# Altium PCB SmartHaloEE.PcbDoc (part 2 of 3)
Units mil, origin at the board's own origin, x right, y up, seen from the top; angles counter-clockwise.
Board outline 2894.86 x 2467.76 mil, 4 copper layers (Top Layer, Ground Plane, Power Plane, Bottom Layer), stack 66 mil thick; 314 components, 165 nets, 803 pads, 366 vias.
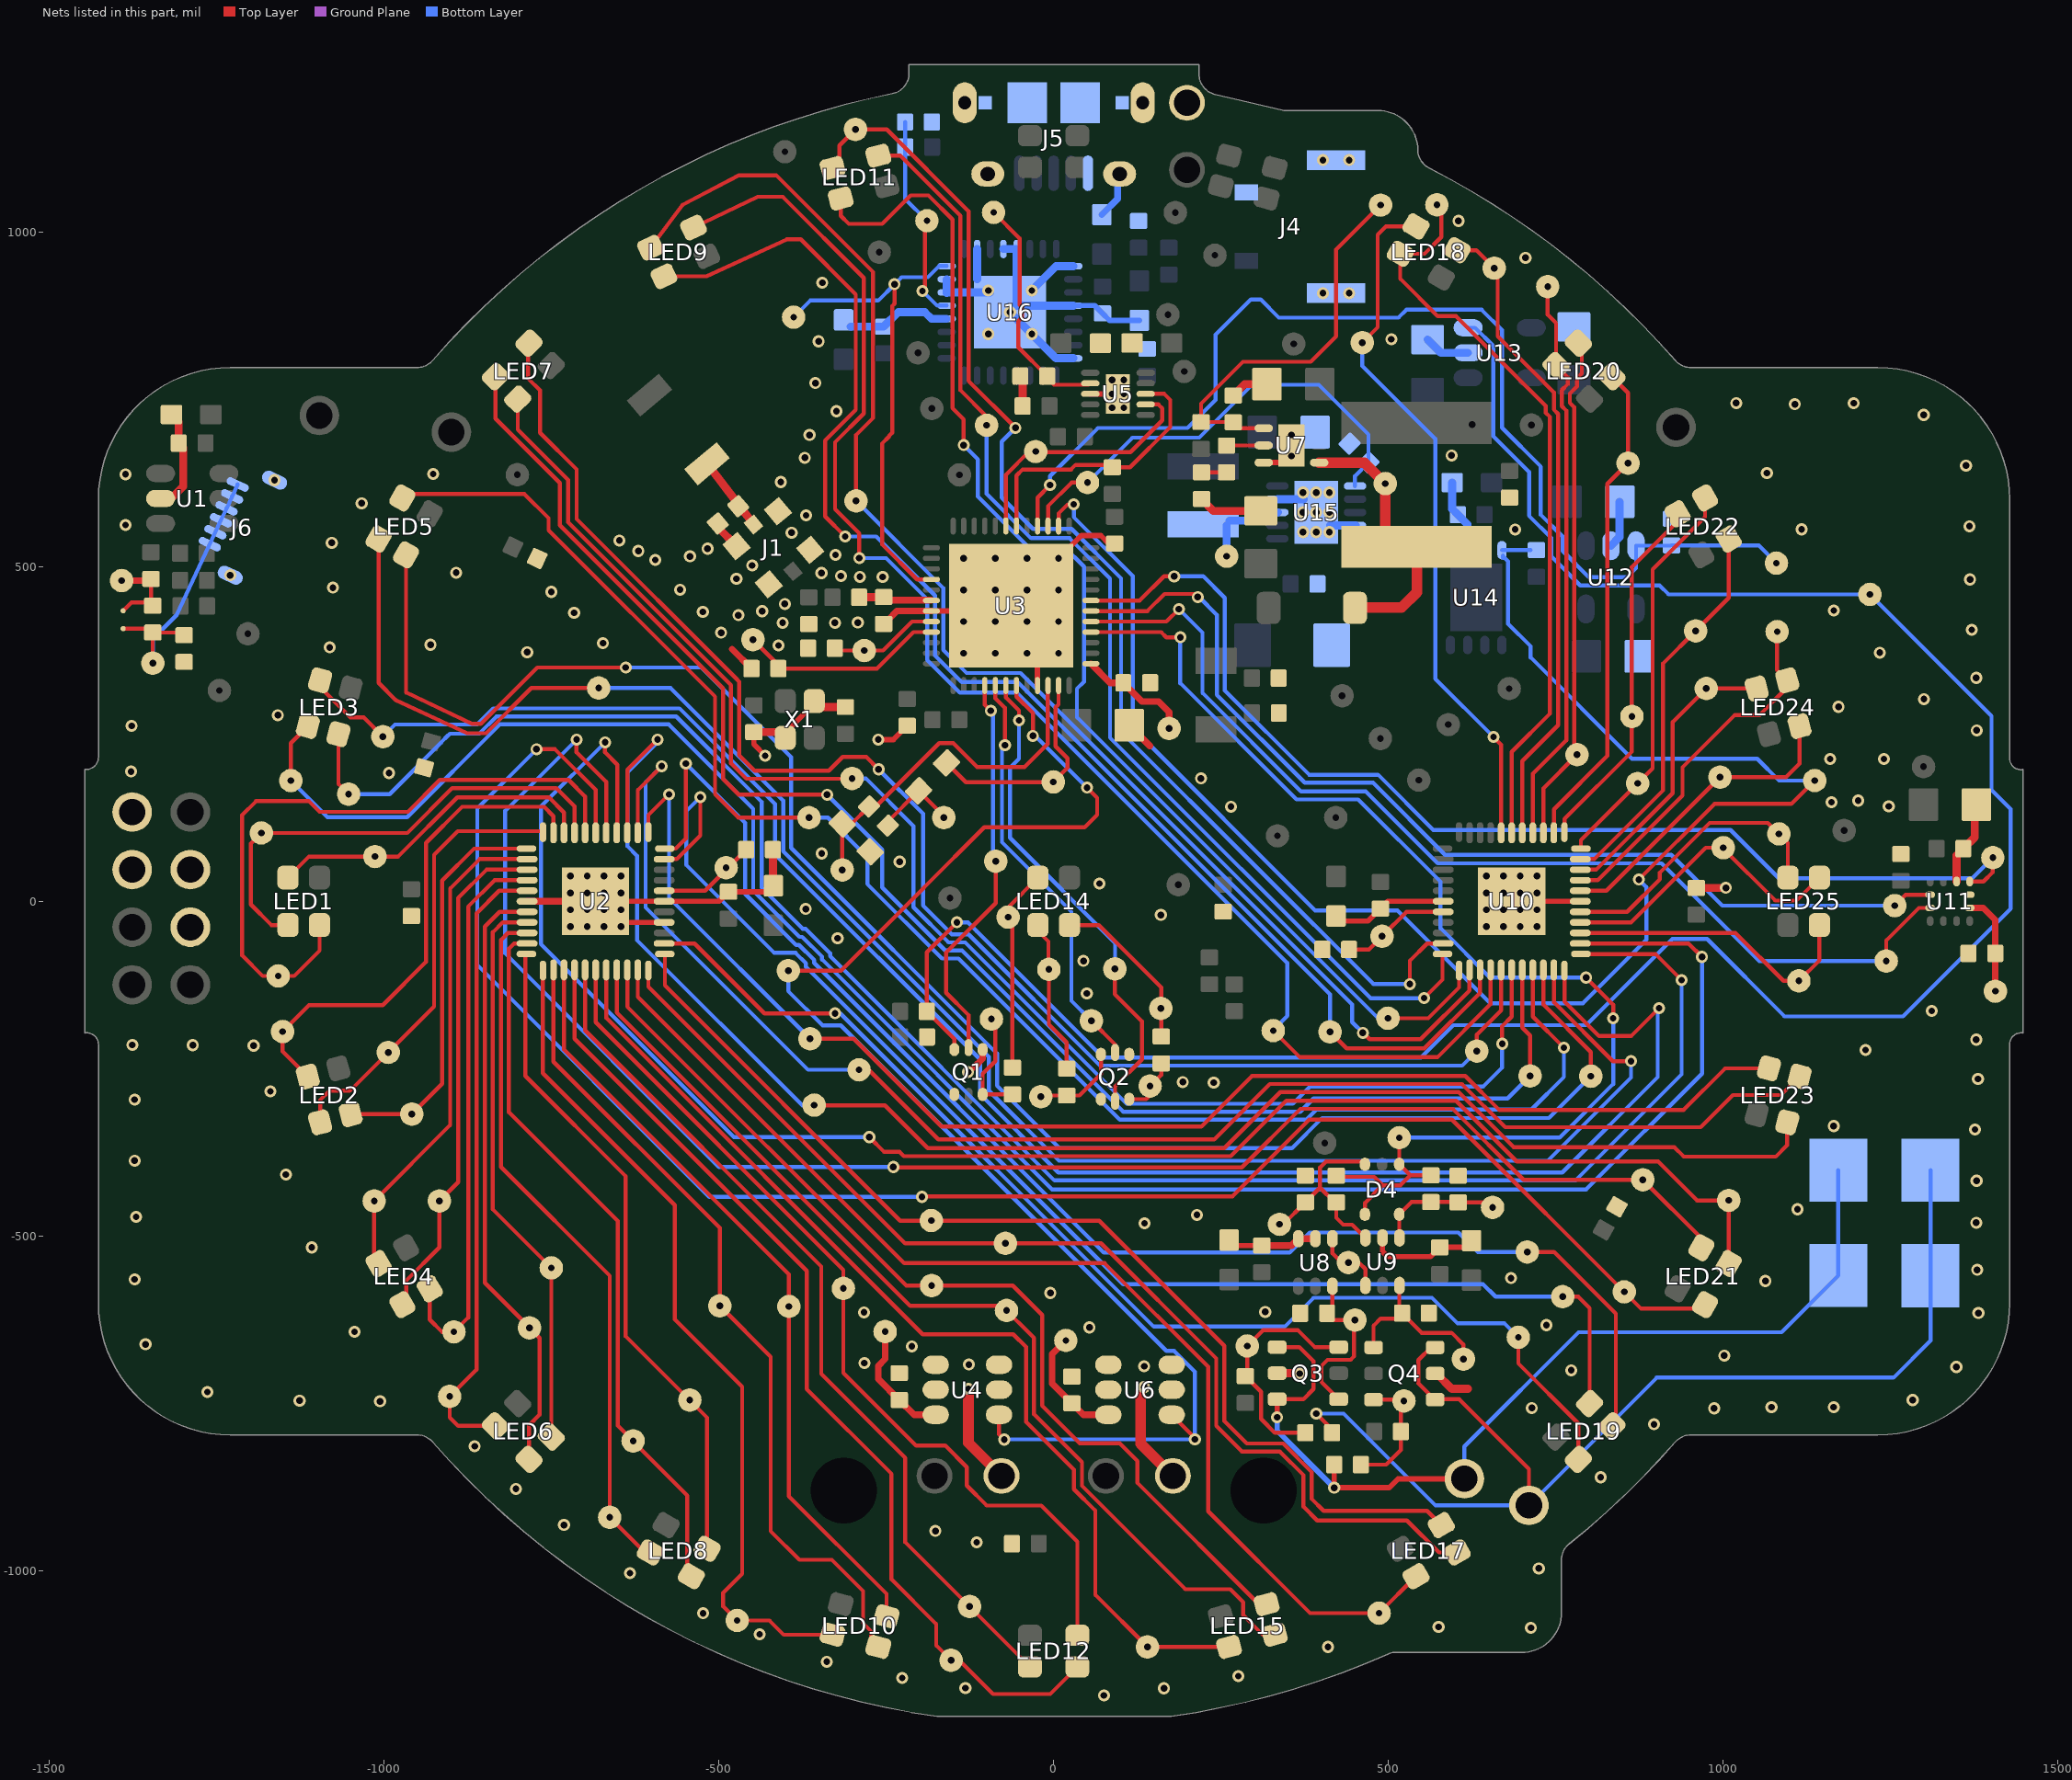
[diagram p4: the nets of this part, all layers, seen from the top]

## Part data
ANT1: "CHIP ANTENNA, 2.45GHz, 3.2 x 1.6 x 1.3 mm body"
C1 C5 C6 C7: library part Varitron_CAP0402, "C nF V TEMP TOL% 0402 (1005 Metric)  SMD"
C2 C15 C29 C36 C40 C50 C57: "1uF 10V X7R 10% 0603 (1608 Metric)  SMD"
C3 C8 C9 C10 C12 C22 C33 C37 C38 C41 C42 C43 C45 C51 C55 C58 C59: "100 nF 10V X7R 10% 0402 (1005 Metric)  SMD"
C4: library part Varitron_CAP0402, "6.8 nF 6V X7R 5% 0402 (1005 Metric)  SMD"
C11: "1.2 pF 50V NP0 ±0.1 pF 0402 (1005 Metric)  SMD"
C13: "100 pF 50V NP0 5% 0402 (1005 Metric)  SMD"
C14 C19 C31 C32: "12 pF 50V NP0 2% 0402 (1005 Metric)  SMD"
C16 C17: "C pF V TEMP TOL% 0402 (1005 Metric)  SMD"
C18: "1uF 16V X7R 10% 0603 (1608 Metric)  SMD"
C20: "0.8 pF 50V NP0 5% 0402 (1005 Metric)  SMD"
C21 C25 C27: "100 nF 16V X7R 10% 0402 (1005 Metric)  SMD"
C23 C26 C56 C60: "4.7uF 10V X7R 10% 0603 (1608 Metric)  SMD"
C24 C30 C34: "4.7 uF 50V X5R 10% 0805 (2012 Metric)  SMD"
C28: "680 pF 10V X7R 10% 0402 (1005 Metric)  SMD"
C35 C39: "2 nF 6V X5R 10% 0402 (1005 Metric)  SMD"
C44 C47 C48 C49 C52 C54: "10 uF 10V X7R 10% 0805 (2012 Metric)  SMD"
C46: "220 nF 10V X7R 10% 0402 (1005 Metric)  SMD"
C53: "47 uF 10V X5R 10% 1206 (3216 Metric)  SMD"
D1 D2: "Cree 5mm Round LED C503D-WAN-CDaEa232-0AH"
D3: "Schottky Power Rectifier, 2-Pin SOD-123, Pb-Free, Tape and Reel"
D4: "High Voltage Switching Diode"
J1: "Coaxial Connector with Switch"
J2 J3: "Connector, Single Horizontal Contact, 2 x 2 mm"
J4: "Connector, 1.3 mm pitch"
J5: "Micro USB B Type Receptacle"
J6: "Connector, FPC, 0.5 mm pitch, 6 contacts"
L1: "3.9 nH ±0.1 nH, 170 mA, 0402 (1005 Metric)  SMD"
L2: "15 nH 5%, 320 mA, 0402 (1005 Metric)  SMD"
L3: "10 µH 10%, 80 mA, 0603 (1608 Metric)  SMD"
L4: library part SRN5020-100M, "Inductor, 10 uH, 20%, 144 mOhm DCR, 1.3A"
L5: library part SRN3015-2R2M, "Inductor, 2.2 uH, 20%, 72 mOhm DCR, 1.65A"
LED1 LED2 LED3 LED4 LED5 LED6 LED7 LED8 LED9 LED10 LED11 LED12 LED13 LED14 LED15 LED16 LED17 LED18 LED19 LED20 LED21 LED22 LED23 LED24 LED25: "LED SMD LTSN-N213EGBW"
Q1 Q2: "30 V, 200 mA dual N-channel Trench MOSFET"
Q3 Q4: "N and P Channel 30 V MOSFET"
R1: library part Varitron_RES0402, "2K 0.063W 5%  0402 (1005 Metric)  SMD"
R2 R23: library part Varitron_RES0402, "3K9 0.063W 5%  0402 (1005 Metric)  SMD"
R3 R12: library part Varitron_RES0402, "100R 0.1W 5% 0402 (1005 Metric)  SMD"
R4 R5 R6 R17 R21 R26 R28 R29 R30 R31: library part Varitron_RES0402, "100K 0.063W 5% 0402 (1005 Metric)  SMD"
R7: library part Varitron_RES0402, "160R 0.1W 5% 0402 (1005 Metric)  SMD"
R8: library part Varitron_RES0402, "560R 0.063W 5% 0402 (1005 Metric) SMD"
R9 R24 R27: library part Varitron_RES0402, "1K 0.063W 5%  0402 (1005 Metric)  SMD"
R10 R13 R19 R22 R25 R32 R34 R35: library part Varitron_RES0402, "10K 0.063W 5% 0402 (1005 Metric)  SMD"
R11 R14: library part Varitron_RES0402, "110R 0.1W 5% 0402 (1005 Metric)  SMD"
R15: library part Varitron_RES0402, "510K 0.063W 5% 0402 (1005 Metric)  SMD"
R16 R20: library part Varitron_RES0402, "4K7 0.063W 5%  0402 (1005 Metric)  SMD"
R18: library part Varitron_RES0402, "33K 0.063W 5%  0402 (1005 Metric)  SMD"
R33 R36 R37: library part Varitron_RES0402, "12K 0.063W 5% 0402 (1005 Metric)  SMD"
RT1: "Thermistor NTC 0402, R0 10k, 1%, B 3490, SMD"
RT2: library part THERMISTOR_TH, "Thermistor NTC TH, R0 10k, 1%, B , TH"
SB1: "Shorted Solderbridge"
TP1 TP2 TP3 TP4 TP5 TP6 TP7 TP8 TP9 TP10 TP11 TP12 TP13 TP14 TP15 TP16 TP17 TP19 TP20 TP21 TP22 TP23 TP24 TP25 TP26 TP27 TP29 TP30 TP31 TP32 TP33 TP34 TP35 TP37 TP38 TP39 TP40 TP41 TP42 TP43 TP44 TP45 TP46 TP47 TP48 TP49 TP50 TP51 TP52 TP53 TP54 TP55 TP56 TP57 TP58 TP59 TP60 TP61 TP62 TP63 TP64 TP65 TP66 TP67 TP68 TP69 TP70 TP71 TP72 TP73 TP74 TP75 TP76 TP77 TP78 TP79 TP80 TP81 TP82 TP83 TP84 TP85 TP86 TP87 TP88 TP89 TP90 TP91 TP92 TP93 TP94 TP95 TP96 TP97 TP98 TP99 TP100 TP101 TP102 TP103 TP104 TP105 TP106 TP107 TP108 TP109 TP110 TP111 TP112 TP113 TP114 TP115 TP116 TP117 TP119 TP120 TP121 TP122 TP123 TP124 TP125 TP126 TP127 TP129 TP130 TP131 TP132 TP133 TP134 TP139 TP144: "Testpoint, through hole, 35 mils"
TP18 TP28 TP36 TP118 TP128 TP135 TP136 TP137 TP138 TP140 TP141 TP142 TP143: "Testpoint, through hole, 1.5mm"
TP145 TP146 TP147 TP148 TP149 TP150 TP151: library part TESTPAD_TH_35mils, "Testpoint, through hole, 35 mils"
U1: "One-channel Touch Sensor IC with Reset Timer, -40° to +85° C, 6-pin SOT23"
U2 U10: "IC 36 CHANNELS LED DRIVER"
U3: "Multi-protocol Bluetooth Low Energy and 2.4GHz proprietary system-on-chip"
U4 U6: "10-TO-150MA CONSTANT-CURRENT LED DRIVER"
U5: "800 mA, Single-Input, Single Cell Li-Ion Battery Charger with Auto Start. Vovp=6.6 V, 3.5 V, -40 to 85 degC, 10-pin SON (DSQ), Green (RoHS & no Sb/Br)"
U7 U12 U13: "Boost Voltage Converter with 3 to 18 V Input and 3 to 38 V Output, -40 to 85 degC, 6-Pin SON (DRC), Green (RoHS & no Sb/Br)"
U8: "Dual Inverter Gate"
U9: "IC Dual Inverter with Schmitt Trigger Inputs"
U11: "IC 3D Accelerometer and 3D Magnetometer, LGA-12, 2 x 2 x 1 mm"
U14: "Smart LiB Gauge, Battery Fuel Gauge LSI for 1-Cell Lithium-ion (Li+)"
U15: "Boost Voltage Converter with 0.3 to 5.5 V Input and 5 V Output, -40 to 85 degC, 10-Pin SON (DRC), Green (RoHS & no Sb/Br)"
U16: "IC USB TO UART BRIDGE 32QFN"
X1: "XTAL 32 MHz, 8pF, 3.2 x 1.5 mm, ±20 ppm Tol, ±200 ppm Drift"
X2: "XTAL 32.768 kHz, 9pF, 3.2 x 1.5 mm, ±20 ppm Tol, ±200 ppm Drift"

## Free pads (board coordinates)
  round 0 hole 98.43 unplated mask+0: 0(-313.58,-880.31)
  round 0 hole 98.43 unplated paste+0 mask+0: 0(313.58,-880.24)

## Via types
v1: diameter 18, hole 10, Top Layer to Bottom Layer, tented both sides, 296 vias
v2: diameter 18, hole 10, Top Layer to Bottom Layer, 69 vias
v3: diameter 18, hole 10, Top Layer to Bottom Layer, tented top, 1 vias

## Nets (pads, with @x,y where several pads share a name; then routed paths per layer and width w, separated by ;. In a path a pad name is that pad's centre, name@x,y a point inside that pad or via, vN(x,y) a via of type N, cw(c..) or ccw(c..) an arc to the next point about the centre after c; other vN are vias at no path point)
ALARMB: R30.1 TP8.1 U3.14 U14.4 | length 2526.9
  Top Layer w6: U3.14@7.34,560.61 7.34,579.24 21.1,593 v1(30,593) ; v1(873.9,32.5) 986.8,145.4 1101.6,145.4 TP8.1@1136.6,180.4
  Bottom Layer w6: v1(30,593) 30,574 118.1,485.9 118.1,258.8 390.5,-13.6 513.3,-13.6 652.1,-152.4 790.23,-152.4 885.3,-57.33 885.3,21.1 v1(873.9,32.5) ; U14.4@669.42,524.65 R30.1@712.4,524.65 ; U14.4@671.2,516.4 671.2,513.18 673.35,513.18 678.62,507.91 678.62,414.58 712.4,380.8 712.4,364.2 863.6,213 1050.84,213 1083.44,180.4 TP8.1@1136.6,180.4
ANT: ANT1.1 C11.2 J1.3 | length 114.3
  Top Layer w12.38: ANT1.1@-517.58,653.73 -469.77,591.24 J1.3@-448.15,562.97
BUS_DETECT: R36.1 R37.1 TP145.1 U16.5 | length 313.9
  Top Layer w6: v1(-195.9,911.8) -192.5,915.2 -192.5,1013.5 TP145.1@-189.3,1016.7
  Bottom Layer w6: R37.1@-222,1164.1 -222,1049.4 TP145.1@-189.3,1016.7 ; v1(-195.9,911.8) -173.94,889.84 U16.5@-159.69,889.84
BZ_OUT_N: J2.1 Q4.4 Q4.6 R35.1 TP28.1 | length 1713
  Top Layer w6: v1(392.2,-765.3) 415.8,-788.9 R35.1@415.8,-793.8 ; Q4.6@563.5,-666.5 544.7,-685.3 544.7,-720.06 Q4.4@569.14,-744.5 ; Q4.4@565.4,-743.8 605.5,-743.8 709.7,-848 TP28.1@709.7,-902.5
  Top Layer w10: Q4.6@563.5,-666.5 Q4.6@569.7,-666.5
  Bottom Layer w6: v1(392.2,-765.3) 433.1,-765.3 570.3,-902.5 TP28.1@709.7,-902.5 900.6,-711.6 1254.2,-711.6 1309.6,-656.2 J2.1@1309.6,-559.24 J2.1@1309.6,-401.76
BZ_OUT_P: J3.1 Q3.4 Q3.6 R34.1 TP36.1 | length 1436.9
  Top Layer w6: Q3.4@333.7,-665.9 366.9,-665.9 388,-687 388,-728.7 372.8,-743.9 Q3.6@334.26,-743.9
  Top Layer w8: v1(333.7,-770.8) Q3.6@333.7,-743.9 ; R34.1@418.9,-841.5 v1(418.9,-876.1) 501,-876.1 514.4,-862.7 TP36.1@613.4,-862.7
  Bottom Layer w6: TP36.1@613.4,-862.7 613.4,-814.4 784,-643.8 1087.04,-643.8 J3.1@1171.8,-559.04 J3.1@1171.8,-401.56
  Bottom Layer w8: v1(333.7,-770.8) 333.7,-790.9 v1(418.9,-876.1)
BZR: D4.1 D4.4 R24.2 R27.2 TP42.1 U3.4 | length 1834.6
  Top Layer w6: U3.4@55.57,402.15 160.55,402.15 168.3,394.4 v1(189.1,394.4) ; R24.2@422,-409.8 422,-411.65 478.55,-411.65 491.2,-424.3 ; D4.4@464.85,-467.61 464.85,-450.65 491.2,-424.3 ; TP42.1@516.04,-353.16 D4.1@516.04,-392.81 532.55,-409.33 ; R27.2@563.26,-409.33 532.55,-409.33 ; v1(795.1,-113.9) 835.6,-154.4 v1(835.6,-174.8) ; 491.2,-424.3 517.58,-424.3 532.55,-409.33
  Bottom Layer w6: v1(189.1,394.4) 189.1,325.8 362.7,152.2 454.8,152.2 577.8,29.2 577.8,-40.3 651.4,-113.9 v1(795.1,-113.9) ; TP42.1@516.04,-353.16 755.47,-353.16 835.6,-273.03 v1(835.6,-174.8)
BZR_D_N: Q3.1 R21.2 TP48.1 U8.6 | length 252.3
  Top Layer w6: R21.2@407.9,-625.5 TP48.1@450,-625.5 ; R21.2@415.97,-617.1 U8.6@415.97,-575.01 ; Q3.1@425.7,-743.9 400,-718.2 400,-693.87 408.97,-684.9 443.43,-684.9 448.7,-679.63 TP48.1@448.7,-626.8
BZR_D_P: Q4.1 R26.2 TP39.1 U9.6 | length 251.1
  Top Layer w6: Q4.1@477.7,-666.5 477.7,-634 488.1,-623.6 528.3,-623.6 549.3,-644.6 594.3,-644.6 611.9,-662.2 TP39.1@611.9,-683.8 ; R26.2@516.12,-612.82 U9.6@516.12,-573.85 ; R26.2@517.82,-612.82 R26.2@520.3,-615.3
C\H\G\: R13.2 U3.18 U5.8 | length 419
  Top Layer w6: U3.18@-55.65,560.61 -55.65,635.85 -46.4,645.1 25.9,645.1 32.8,652 84.2,652 R13.2@87.7,648.5 114.1,648.5 174.1,708.5 174.1,749 165.1,758 U5.8@137.34,758
CAPIN: C1.1 C7.1 J6.1 J6.2 J6.3 J6.4 J6.5 J6.6 SB1.2 TP139.1 | length 428.1
  Top Layer w6: SB1.2@-1389.8,407.3 C1.1@-1351.4,407.3 ; TP139.1@-1345.6,355.8 C1.1@-1345.6,401.5 -1310.6,401.5 C7.1@-1305.5,406.6
  Bottom Layer w6: TP139.1@-1345.2,355.8 -1345.2,392.2 -1309.62,427.78 J6.5@-1252.01,551.35 J6.4@-1243.69,569.19 J6.3@-1235.37,587.03 -1227.05,604.86 J6.1@-1218.73,622.71
CATHODE_B: LED14.4 R14.2 TP64.1 | length 249
  Top Layer w6: LED14.4@23.62,-35.43 67.33,-35.43 160.6,-128.7 R14.2@160.6,-202.1
CATHODE_G: LED14.3 R11.2 TP72.1 | length 232.5
  Top Layer w6: LED14.3@-23.62,-35.43 -23.62,-44.38 -7.9,-60.1 -7.9,-101 TP72.1@-7.2,-101.7 -7.2,-184.1 19.4,-210.7 R11.2@19.4,-250.1
CATHODE_R: LED14.2 R7.2 TP75.1 | length 304.3
  Top Layer w6: TP75.1@-69.2,-24.7 -61.7,-32.2 R7.2@-61.7,-248.4 ; TP75.1@-68.1,-23.6 -68.1,-9.04 LED14.2@-23.62,35.43
CENTRAL_B: Q2.2 TP68.1 U3.41 | length 630.5
  Top Layer w6: U3.41@-87.15,322.42 -87.15,303.3 -72.8,288.96 v1(-72.8,233.1) ; TP68.1@56.3,-178.4 91.7,-213.8 Q2.2@91.7,-225.78
  Bottom Layer w6: v1@-77.3,228.6 v1(-72.8,233.1) ; v1@-77.3,233.1 -77.3,88.27 26.5,-15.53 26.5,-148.6 TP68.1@56.3,-178.4
CENTRAL_G: Q2.5 TP67.1 U3.42 | length 734.1
  Top Layer w6: U3.42@-71.4,322.42 -71.4,304.52 -51.8,284.93 v1(-51.8,270.3) ; TP67.1@91.4,-101 91.4,-138.9 131.9,-179.4 131.9,-236.2 91.7,-276.4 Q2.5@91.7,-298.62
  Bottom Layer w6: v1(-51.8,270.3) -51.8,212.8 -65.3,199.3 -65.3,94.7 91.7,-62.3 TP67.1@91.7,-101.9
CENTRAL_R: Q1.5 TP78.1 U3.40 | length 592.2
  Top Layer w6: Q1.5@-127.2,-218.58 -127.2,-169.9 -160.6,-136.5 -160.6,-76.6 -86.6,-2.6 TP78.1@-86.6,59.9 ; U3.40@-102.89,322.42 -102.89,293.59 v1(-93.9,284.6)
  Bottom Layer w6: v1(-93.9,284.6) -90.8,281.5 -90.8,64.1 TP78.1@-86.6,59.9
CTS: TP103.1 U3.28 U16.8 | length 752
  Top Layer w6: v1(-237.7,921.8) -237.7,892.7 -241.2,889.2 -241.2,699.77 -245.7,695.27 -245.7,694.32 -256.3,683.72 -256.3,533.16 -204.03,480.89 U3.28@-182.62,480.89
  Bottom Layer w6: TP103.1@-388.4,872.6 -363.6,897.4 -262.1,897.4 v1(-237.7,921.8) -227.1,932.4 -187.87,932.4 -171.38,948.9 U16.8@-159.69,948.9
DEC1: C27.1 TP63.1 U3.1 | length 171
  Top Layer w10: U3.1@55.57,354.9 84.14,326.34 C27.1@104.08,326.34 132.02,298.39 156.51,298.39 172.3,282.6 TP63.1@172.3,258.3
DEC2: C16.1 TP93.1 U3.32 | length 158.6
  Top Layer w6: C16.1@-323.3,374.6 TP93.1@-282.9,374.6 -254.9,374.6 -211.61,417.89 U3.32@-182.62,417.89
DEC3: C13.1 TP107.1 U3.33 | length 310.2
  Top Layer w6: TP107.1@-449.2,390.9 -411.2,352.9 C13.1@-411.2,347.6 -264,347.6 -209.45,402.15 U3.33@-182.62,402.15
DEC4: C18.1 L2.1 TP99.1 U3.46 | length 542.1
  Top Layer w6: TP99.1@-315.76,46.96 C18.1@-315.76,115.76 -301.73,115.76 L2.1@-275.94,141.54 -265.76,141.54 -170.91,236.39 -149.99,236.39 -114.3,200.7 -43.5,200.7 -9.13,235.07 -9.13,321.69 U3.46@-8.41,322.42
EN_2_8V: R29.2 TP12.1 U3.16 U12.3 | length 1705.7
  Top Layer w6: U3.16@-24.15,560.61 -24.15,603.05 v1(-5.4,621.8)
  Bottom Layer w6: v1(-5.4,621.8) -5.4,635.4 66.2,707 199.8,707 241.7,748.9 241.7,846.4 294.5,899.2 308.9,899.2 336.2,871.9 347.03,871.9 347.13,871.8 514.9,871.8 526.8,883.7 639.2,883.7 669.5,853.4 669.5,707.28 727.5,649.28 727.5,577.3 760.3,544.5 760.3,523.2 799.5,484 856.1,484 869.72,497.62 U12.3@869.72,531.24 R29.2@922.34,531.24 ; R29.2@922.6,531.5 1053.1,531.5 TP12.1@1079.4,505.2
EN_POW_MCU: Q1.6 R4.1 TP6.1 U13.3 | length 3526.3
  Top Layer w6: Q1.6@-148.38,-221.54 -148.38,-205.62 R4.1@-189.4,-164.6 -189.4,-76.2 v1(-144.6,-31.4)
  Bottom Layer w6: v1(-144.6,-31.4) -128.13,-31.4 -115.1,-44.43 ; -115.1,-44.48 73.92,-233.5 548.37,-233.5 596.77,-185.1 795.2,-185.1 924.1,-56.2 975.8,-56.2 1091.5,-171.9 1268.3,-171.9 1429.1,-11.1 1429.1,137.7 1400.6,166.2 1400.6,276.9 TP6.1@1219,458.5 918.4,458.5 904.9,472 786.3,472 743,515.3 743,542.9 709.9,576 709.9,641.5 656.6,694.8 656.6,829.5 629.28,856.82 U13.3@618.85,856.82
EN_VLED: R31.2 TP69.1 U3.15 U15.6 | length 699.4
  Top Layer w6: U3.15@-8.41,560.61 -8.41,590.29 26.8,625.5 TP69.1@50.5,625.5
  Bottom Layer w6: TP69.1@50.5,625.5 117.7,692.7 217.3,692.7 296.2,771.6 395.9,771.6 470.14,697.36 R31.2@470.14,655.46 450.07,635.39 U15.6@450.07,620.37
FRONTLED: TP105.1 U3.43 U4.1 U6.1 | length 2152.8
  Top Layer w6: TP105.1@-396.4,-103.6 -317.56,-103.6 -193.4,20.56 -193.4,20.85 -103.75,110.5 46.2,110.5 65,129.3 65,154.6 v1(49.8,169.8) ; U4.1@-81.69,-767.05 -81.69,-796.21 v1(-73.8,-804.1) ; U3.43@-55.65,322.42 -55.65,305.75 -31,281.1 v1(-31,247.1) ; U6.1@176.18,-767.05 v1@211.92,-802.78
  Bottom Layer w6: TP105.1@-396.4,-103.6 -396.4,-134.1 -345.1,-185.4 -317.8,-185.4 168.4,-671.6 179.7,-671.6 210.9,-702.8 v1(210.9,-803.8) v1@-73.5,-803.8 ; v1(-31,247.1) -27.5,247.1 v1(49.8,169.8)
GND: C2.2 C3.2 C7.2 C8.2 C9.2 C10.2 C11.1 C12.2 C13.2 C14.2 C15.2 C16.2 C17.1 C18.2 C19.2 C20.1 C21.2 C22.2 C23.2 C24.2 C25.2 C26.2 C27.2 C28.2 C29.2 C30.2 C31.1 C32.1 C33.2 C34.2 C35.2 C36.2 C37.2 C38.2 C39.2 C40.2 C41.2 C42.2 C43.2 C44.2 C45.2 C46.2 C47.2 C48.2 C49.2 C50.2 C51.2 C52.2 C53.2 C54.2 C55.2 C56.2 C57.2 C58.2 C59.2 C60.2 J1.2 J4.0 J4.1 J5.0 J5.5 J6.0 Q1.1 Q1.4 Q2.1 Q2.4 Q3.5 Q4.5 R2.2 R3.1 R5.1 R8.2 R9.2 R12.1 R17.1 R18.1 R21.1 R23.2 R26.1 R28.2 R29.1 R31.1 R33.1 R37.2 RT1.1 RT2.1 TP136.1 TP137.1 TP141.1 TP142.1 U1.2 U2.17 U2.37 U2.39 U2.45 U3.31 U3.45 U3.49 U4.4 U5.3 U5.11 U6.4 U7.3 U7.7 U8.2 U8.3 U9.2 U10.17 U10.39 U10.45 U11.6 U11.8 U12.2 U13.2 U14.1 U14.2 U15.4 U15.9 U15.11 U16.4 U16.6 U16.7 U16.10 U16.12 U16.13 U16.17 U16.20 U16.24 U16.33 X1.2 X1.4 | length 3850.5
  Top Layer w8: U2.45@-684.06,0 -499.98,0 C12.2@-485.75,14.23 C15.2@-427.69,14.23 ; U2.45@-652.56,-31.5 U2.37@-581.69,-31.5 ; C14.2@-447.83,252.64 -447.83,234.43 v1(-430.9,217.5) ; X1.4@-398.68,254.25 X1.2@-355.38,297.55 ; v1(-262,241.6) -239.5,241.6 C21.2@-218.9,262.2 ; U3.31@-182.62,433.64 U3.49@-71.4,433.64 ; U3.49@-63.52,441.52 41.36,546.4 70.43,546.4 82.33,534.5 C25.2@90.9,534.5 ; U3.45@-24.15,322.42 U3.49@-24.15,402.15 ; U5.3@54.66,758 v2(87.14,758) U5.11@96,758 ; C29.2@262,-506 270.22,-514.22 C33.2@310.81,-514.22 ; U7.3@313.76,655.41 343.91,655.41 344.13,655.63 U7.7@344.13,681 ; C36.2@421.65,-21.86 429.34,-29.55 469.35,-29.55 C37.2@487.85,-11.04 498.9,0 U10.39@581.69,0 ; U9.2@491.02,-502.85 491.02,-523.32 498.6,-530.9 562.71,-530.9 C38.2@576.75,-516.85 614.15,-516.85 C40.2@624,-507 ; U10.45@684.06,0 U10.17@786.42,0
  Top Layer w10: U2.17@-786.42,0 U2.45@-684.06,0 ; -480.25,376.65 C13.2@-451.2,347.6 ; C20.1@-247,420.8 -234.16,433.64 U3.31@-182.62,433.64 ; -118.9,-247.9 -106.02,-235.02 Q1.4@-106.02,-221.54 ; C24.2@112.87,262.89 143.68,232.08 ; C33.2@310.81,-514.22 355.16,-514.22 U8.3@365.37,-504.01 U8.2@390.87,-504.01
  Top Layer w12: U1.2@-1333.78,601.75 -1318.19,601.75 -1300.12,619.82 -1300.12,677.92 C3.2@-1306.7,684.5 -1306.7,716.2 C2.2@-1317.7,727.2 ; C11.1@-501.77,564.49 -501.77,558.72 J1.2@-473.75,530.7 ; C14.2@-447.83,252.64 X1.4@-409.49,252.64 ; C15.2@-419.3,23.86 R2.2@-419.3,77.1 ; X1.2@-355.38,297.55 -348.62,290.2 C19.2@-311.12,290.2 ; R9.2@-46.4,739.9 R8.2@-46.4,781.2 ; C28.2@220.8,600.9 238.5,583.2 C30.2@309.3,583.2 ; R18.1@268.8,756 285.3,772.5 C34.2@318.5,772.5 ; Q3.5@336.2,-706.8 335.9,-707.1 Q3.5@333.7,-704.9 v1@366.7,-704.9 ; Q4.5@569.7,-705.5 571.67,-705.5 594.57,-728.4 618.5,-728.4 ; C42.2@959.69,20.06 v1(1003.94,20.06) ; U11.8@1348.43,29.53 1348.43,68.46 C45.2@1358.58,78.62 1375.57,95.6 C44.2@1375.57,144.33
  Ground Plane w8: v1@-435.9,217.5 v1(-430.9,217.5)
  Bottom Layer w8: U16.20@29.29,890.14 61.06,890.14 C58.2@72.9,878.3 83.4,867.8 C56.2@127.9,867.8
  Bottom Layer w10: C57.2@71.9,1025.8 95.47,1049.37 J5.0@95.47,1076.77
  Bottom Layer w12: C60.2@-303.6,858.4 C59.2@-254,858.4 -232.2,880.2 -192.51,880.2 -182.32,870 U16.4@-159.85,870 ; U16.6@-159.69,908.81 U16.7@-159.69,929.21 ; U16.6@-159.69,909.53 U16.33@-94.73,909.53 ; U16.33@-114.41,929.21 U16.10@-114.41,974.49 ; U16.12@-75.04,974.49 U16.13@-55.36,974.49 -55.36,889.84 U16.20@29.29,889.84 ; v1(-65.2,880) 3.51,811.29 29.29,811.29 U16.24@29.29,811.1 ; v1(-32.72,912.48) 3.51,948.71 29.29,948.71 U16.17@29.29,948.9 ; U15.4@334.93,600.69 U15.11@373.32,600.69 ; U15.11@412.69,561.32 U15.9@451.07,561.32 ; C52.2@558.38,839.14 578.1,819.42 U13.2@618.85,819.42 ; U14.1@592.65,524.65 U14.2@618.24,524.65 618.24,562.86 C51.2@603.5,577.6 595,586.1 C50.2@595,625.6 ; U12.2@832.32,531.24 844.93,543.85 C48.2@844.93,597
  other v1: 75,-1186.3 164.7,-1175.7 -131.9,-1175.2 -226.4,-1160.3 275.7,-1157.4 -338.9,-1136 409.8,-1113.9 -439.3,-1095.1 712.7,-1085.3 574.8,-1084.1 -523.5,-1063.6 -632.8,-1003.7 724.5,-996.5 -115.1,-957.7 -176.6,-940.7 -731.4,-931.7 -803,-877.7 816.9,-860.4 -864.7,-814.2 896.7,-781.3 986.3,-757.5 714.1,-756.9 1072,-755.6 1164.9,-755.6 -1006,-747 -1126.3,-745.9 1282.9,-745 -1264,-733 367.4,-705.6 773,-700.6 1348.1,-695.6 -282.8,-689.8 1001.4,-678.6 -211.8,-664.8 -1356.3,-661.8 -1044.1,-643 53.4,-636.6 736,-633.1 1381.1,-615.2 -283.3,-614 315.9,-613.4 -4.9,-585.1 1063,-567.2 -1372.6,-564.9 682.9,-562.9 1379.1,-550.6 -1107.9,-517.1 135.7,-481 1377.8,-480.1 -1370.3,-471.5 213.8,-468.5 1110.7,-460 1378.4,-417.5 -1146.7,-408.3 -1372.6,-387.4 1375.8,-341 1164.9,-335.8 -1372.6,-296.4 -1170,-284 239,-271 192.9,-270 1380.4,-265.3 -127.9,-255.2 1212.6,-222.2 -1194.9,-215.6 -1376.1,-214.7 -1285.7,-214.9 1377.8,-206.6 1311.3,-163.8 49.4,-137.7 44.5,-89.1 -322.8,-55.3 160.1,-20.4 -370.3,-11.5 68.4,26.5 -230,59.1 -346.5,71.5 264.7,141.4 1247.1,141.9 1161.6,148.1 1201.5,150.4 219.9,183.5 -992.8,191.6 -1377.8,193.8 1159.5,212.7 1240.1,212.7 1378.5,255.4 -1377.1,262 -1158.7,278 1172.2,290.5 1299.6,302.1 1377.8,333.8 1233.8,371.4 -786.3,372.1 -1081.4,379.3 -411.1,382.3 -930.7,383.3 -673.1,385.6 -496.6,401.3 1371.2,405.7 -404.7,416.1 -326.7,416.1 -292.6,416.4 -470.9,427.3 -716.2,431.1 -524,432.4 -435.4,433.4 1165.2,434.5 -401.6,444.3 -750.4,462.2 -558.1,465.5 -1076.6,468.6 1368.6,480.8 -473.8,481.9 -289.5,484.8 -255.5,484.7 -317.8,485.9 -1229.82,487.14 -346.8,490.4 -892.4,490.9 -450.4,501.8 -595,510 -543.2,515.3 -325.8,517.5 -620.3,523.3 -517,526.8 -1078.2,535.6 -648.7,539 -391.4,550.7 689.2,555.5 1117,555.6 1367.7,560.3 -1386.2,562.1 -369.9,576.7 -1033.5,594.6 -407.6,626.4 -1163.6,629.15 -1386.2,637.9 -926.7,638.4 1065.2,639.8 1362.6,651 -371.7,662.6 594.2,666.1 -364.6,696.5 1299.3,726.7 -324.6,732.2 1106.9,742.6 1019.3,744.3 1194.8,744 -355.9,774.2 -351.1,836.5 504.2,839.7 -97.68,847.52 -32.72,847.52 401.97,908.46 441.34,908.46 -97.68,912.48 -345.5,924.2 704.7,961.4 604.5,1016.4 401.97,1107.28 441.34,1107.28